# Altium PCB PE100-Rev1_1.PcbDoc (part 2 of 2)
Units mil, origin at the board's own origin, x right, y up, seen from the top; angles counter-clockwise.
Board outline 6600.39 x 4375.99 mil, 4 copper layers (TOP, GND02, VCC03, BOTTOM), stack 28.8 mil thick; 321 components, 383 nets, 1697 pads, 0 vias.
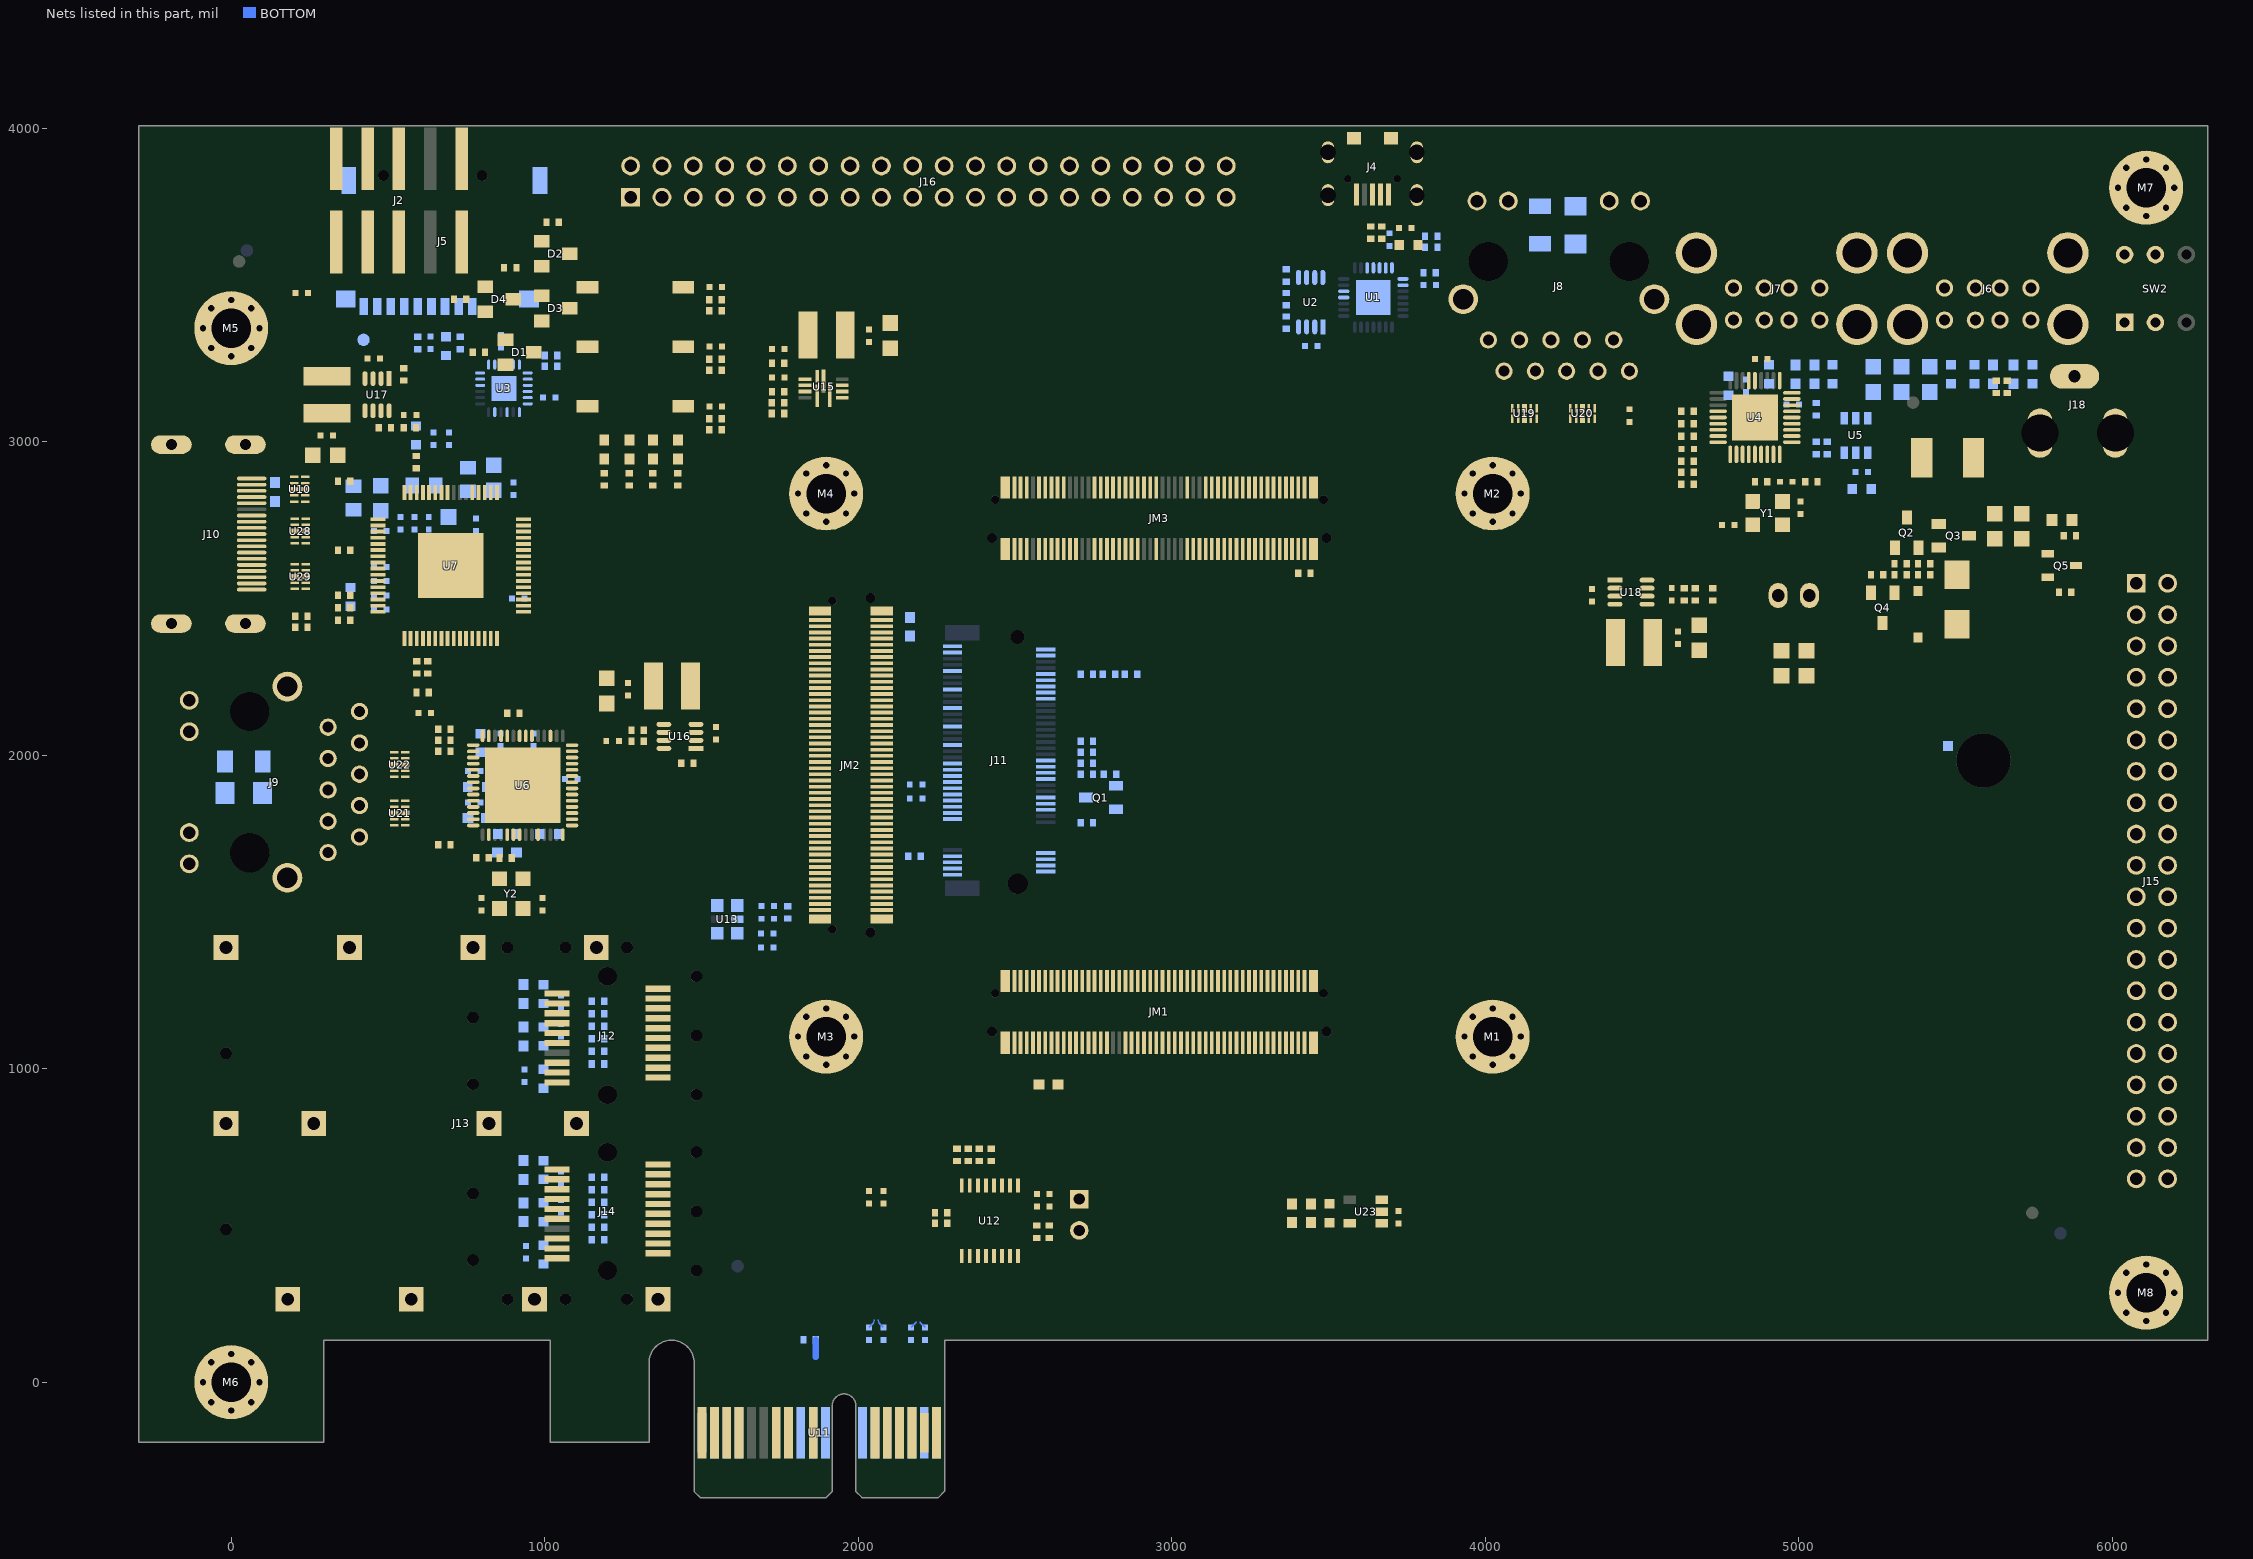
[diagram p4: the nets of this part, all layers, seen from the top]

## Nets (pads, with @x,y where several pads share a name; then routed paths per layer and width w, separated by ;. In a path a pad name is that pad's centre, name@x,y a point inside that pad or via, vN(x,y) a via of type N, cw(c..) or ccw(c..) an arc to the next point about the centre after c; other vN are vias at no path point)
3.3V_PCIE: R72.1 U11.A9 U11.A10 U11.B8
3.3V_PCIE_AUX: R72.2 U11.B10 | length 54.7
  BOTTOM w20: 1864.69,80.31 R72.2@1864.69,135
5V_HDMI: F2.2 J10.18 R62.2 R64.2
12V_PCIE: D5.A U11.A2 U11.A3 U11.B1 U11.B2 U11.B3
7513_AVDD_1V8: C116.1 C117.1 C118.1 C119.1 L11.1 U7.15 U7.19 U7.25
7513_DVDD_1V8: C111.1 C112.1 C113.1 C114.1 C115.1 L10.1 U7.1 U7.11 U7.31 U7.51
7513_PVDD_1V8: C120.1 C121.1 C122.1 L9.1 U7.12 U7.13
CEC: J10.13 U10.1 U10.10
CEC_CLK: R65.2 U7.32
CEC_IO: R63.2 U7.30
CLK_CP: C60.2 U11.A13
CLK_N: C61.2 U11.A14
CLKREQN: J11.52
CON_SD_CLK: J5.5 R14.1 U3.19
CON_SD_CMD: J5.3 R13.1 U3.20
CON_SD_DATA0: J5.7 U3.18
CON_SD_DATA1: J5.8 U3.16
CON_SD_DATA2: J5.1 U3.23
CON_SD_DATA3: J5.2 U3.22
DDCSCL: J10.15 R62.1 U7.33 U10.2 U10.9
DDCSDA: J10.16 R64.1 U7.34 U10.4 U10.7
ETH0_MDI0_N: J8.3 JM3.84 U19.2 U19.9
ETH0_MDI0_P: J8.2 JM3.82 U19.1 U19.10
ETH0_MDI1_N: J8.7 JM3.88 U19.5 U19.6
ETH0_MDI1_P: J8.4 JM3.86 U19.4 U19.7
ETH0_MDI2_N: J8.6 JM3.94 U20.2 U20.9
ETH0_MDI2_P: J8.5 JM3.92 U20.1 U20.10
ETH0_MDI3_N: J8.9 JM3.98 U20.5 U20.6
ETH0_MDI3_P: J8.8 JM3.96 U20.4 U20.7
ETH1_25M_XI: C52.1 R61.1 U6.34 Y2.1
ETH1_25M_XO: C53.1 R61.2 U6.33 Y2.3
ETH1_MDI0_N: J9.3 U6.27 U21.2 U21.9
ETH1_MDI0_P: J9.2 U6.28 U21.1 U21.10
ETH1_MDI1_N: J9.7 U6.23 U21.5 U21.6
ETH1_MDI1_P: J9.4 U6.24 U21.4 U21.7
ETH1_MDI2_N: J9.6 U6.21 U22.2 U22.9
ETH1_MDI2_P: J9.5 U6.22 U22.1 U22.10
ETH1_MDI3_N: J9.9 U6.17 U22.5 U22.6
ETH1_MDI3_P: J9.8 U6.18 U22.4 U22.7
ETH1_NRST: JM2.35 R46.2 U6.16
ETH1_RGMII_MDC: JM2.31 U6.7
ETH1_RGMII_MDIO: JM2.33 R57.2 U6.8
ETH1_RXCK: JM2.42 U6.46
ETH1_RXCTL: JM2.32 U6.43
ETH1_RXD0: JM2.34 U6.44
ETH1_RXD1: JM2.36 U6.45
ETH1_RXD2: JM2.38 U6.47
ETH1_RXD3: JM2.44 U6.48
ETH1_TXCK: JM2.52 U6.53
ETH1_TXCTL: JM2.58 U6.56
ETH1_TXD0: JM2.46 U6.50
ETH1_TXD1: JM2.48 U6.51
ETH1_TXD2: JM2.54 U6.54
ETH1_TXD3: JM2.56 U6.55
FPGA2M2_0_AC_N: C72.1 J11.47
FPGA2M2_0_AC_P: C73.1 J11.49
FPGA2M2_0_N: C72.2 JM2.25
FPGA2M2_0_P: C73.2 JM2.27
FPGA_TCK: D2.3 JM3.15 R2.1
FPGA_TDI: D4.3 JM3.21 R4.1
FPGA_TDO: D3.3 JM3.17 R3.1
FPGA_TMS: D1.3 JM3.23 R1.1
GND: C1.1 C2.1 C3.2 C4.1 C5.1 C6.2 C7.1 C8.1 C9.2 C10.2 C11.2 C12.2 C13.2 C14.2 C15.2 C16.2 C17.2 C18.2 C19.2 C20.2 C21.2 C22.2 C23.2 C24.2 C25.2 C26.2 C27.2 C28.2 C29.2 C30.2 C35.2 C36.2 C37.2 C38.2 C39.2 C40.2 C41.2 C42.2 C43.2 C44.2 C45.2 C46.2 C47.2 C52.2 C53.2 C54.2 C55.2 C56.2 C57.2 C58.2 C59.2 C66.2 C74.2 C75.2 C76.2 C77.2 C78.2 C79.2 C80.2 C81.2 C82.2 C83.2 C84.2 C85.2 C87.1 C88.1 C89.1 C90.1 C91.2 C92.1 C93.1 C96.1 C97.1 C98.1 C99.1 C100.1 C102.1 C103.1 C104.2 C105.2 C106.2 C108.2 C109.2 C110.2 C111.2 C112.2 C113.2 C114.2 C115.2 C116.2 C117.2 C118.2 C119.2 C120.2 C121.2 C122.2 D1.1 D2.1 D3.1 D4.1 D7.A J2.2 J2.10 J3.2 J4.5 J4.6 J4.7 J4.8 J4.9 J4.10 J4.11 J5.6 J5.10 J5.11 J5.12 J5.13 J6.A4 J6.B4 J6.S1 J6.S2 J6.S3 J6.S4 J7.A4 J7.B4 J7.S1 J7.S2 J7.S3 J7.S4 J8.12 J10.2 J10.5 J10.8 J10.11 J10.17 J10.BO1 J10.BO2 J10.BO3 J10.BO4 J11.1 J11.3 J11.9 J11.15 J11.21 J11.27 J11.33 J11.39 J11.45 J11.51 J11.57 J11.71 J11.73 J11.75 J12.1 J12.9 J12.10 J12.11 J12.14 J12.17 J12.20 J13.1 J13.2 J13.3 J13.4 J13.5 J13.6 J13.7 J13.8 J13.9 J13.10 J13.11 J13.12 J14.1 J14.9 J14.10 J14.11 J14.14 J14.17 J14.20 J15.12 J15.30 J16.12 J16.30 J18.2 J18.3 JM1.9 JM1.10 JM1.19 JM1.20 JM1.29 JM1.30 JM1.39 JM1.40 JM1.49 JM1.50 JM1.59 JM1.60 JM1.69 JM1.70 JM1.79 JM1.80 JM1.89 JM1.90 JM1.99 JM1.100 JM2.5 JM2.6 JM2.11 JM2.12 JM2.17 JM2.18 JM2.23 JM2.24 JM2.29 JM2.30 JM2.39 JM2.40 JM2.49 JM2.50 JM2.59 JM2.60 JM2.69 JM2.70 JM2.79 JM2.80 JM2.89 JM2.90 JM2.99 JM2.100 JM3.19 JM3.20 JM3.29 JM3.30 JM3.39 JM3.40 JM3.49 JM3.50 JM3.59 JM3.60 JM3.69 JM3.70 JM3.79 JM3.80 JM3.89 JM3.90 JM3.99 JM3.100 K1.1 K2.1 K3.1 M1.1 M2.1 M3.1 M4.1 M5.1 M6.1 M7.1 M8.1 M9.1 Q1.S Q5.2 R11.1 R18.1 R21.2 R22.2 R23.2 R24.2 R25.2 R28.1 R39.1 R59.1 R60.1 R63.1 R65.1 R66.2 R70.2 R71.1 R75.2 R76.2 R86.1 R108.2 R109.2 R112.2 R117.1 R118.1 R121.1 R179.1 R188.1 U1.3 U1.29 U2.2 U3.2 U3.11 U3.25 U4.37 U5.2 U6.57 U7.65 U10.3 U10.8 U11.A4 U11.A12 U11.A15 U11.A18 U11.B4 U11.B7 U11.B13 U11.B16 U11.B18 U12.7 U13.3 U15.2 U15.4 U15.10 U16.4 U16.6 U17.4 U17.6 U18.4 U18.6 U19.3 U19.8 U20.3 U20.8 U21.3 U21.8 U22.3 U22.8 U23.2 U28.3 U28.8 U29.3 U29.8 Y1.2 Y1.4 Y2.2 Y2.4
GPIO1_0N: J15.2 JM1.84
GPIO1_0P: J15.1 JM1.82
GPIO1_1N: J15.4 JM1.68
GPIO1_1P: J15.3 JM1.66
GPIO1_2N: J15.6 JM1.74
GPIO1_2P: J15.5 JM1.72
GPIO1_3N: J15.8 JM1.78
GPIO1_3P: J15.7 JM1.76
GPIO1_4N: J15.10 JM1.88
GPIO1_4P: J15.9 JM1.86
GPIO1_5N: J15.14 JM1.98
GPIO1_5P: J15.13 JM1.96
GPIO1_6N: J15.16 JM1.94
GPIO1_6P: J15.15 JM1.92
GPIO1_7N: J15.18 JM1.97
GPIO1_7P: J15.17 JM1.95
GPIO1_8N: J15.20 JM1.87
GPIO1_8P: J15.19 JM1.85
GPIO1_9N: J15.22 JM1.83
GPIO1_9P: J15.21 JM1.81
GPIO1_10N: J15.24 JM1.77
GPIO1_10P: J15.23 JM1.75
GPIO1_11N: J15.26 JM1.73
GPIO1_11P: J15.25 JM1.71
GPIO1_12N: J15.28 JM1.67
GPIO1_12P: J15.27 JM1.65
GPIO1_13N: J15.32 JM1.63
GPIO1_13P: J15.31 JM1.61
GPIO1_14N: J15.34 JM1.57
GPIO1_14P: J15.33 JM1.55
GPIO1_15N: J15.36 JM1.53
GPIO1_15P: J15.35 JM1.51
GPIO1_16N: J15.38 JM1.47
GPIO1_16P: J15.37 JM1.45
GPIO1_17N: J15.40 JM1.43
GPIO1_17P: J15.39 JM1.41
GPIO2_0N: J16.2 JM3.34
GPIO2_0P: J16.1 JM3.32
GPIO2_1N: J16.4 JM3.38
GPIO2_1P: J16.3 JM3.36
GPIO2_2N: J16.6 JM3.44
GPIO2_2P: J16.5 JM3.42
GPIO2_3N: J16.8 JM3.48
GPIO2_3P: J16.7 JM3.46
GPIO2_4N: J16.10 JM3.43
GPIO2_4P: J16.9 JM3.41
GPIO2_5N: J16.14 JM1.4
GPIO2_5P: J16.13 JM1.2
GPIO2_6N: J16.16 JM1.8
GPIO2_6P: J16.15 JM1.6
GPIO2_7N: J16.18 JM1.14
GPIO2_7P: J16.17 JM1.12
GPIO2_8N: J16.20 JM1.18
GPIO2_8P: J16.19 JM1.16
GPIO2_9N: J16.22 JM1.24
GPIO2_9P: J16.21 JM1.22
GPIO2_10N: J16.24 JM1.28
GPIO2_10P: J16.23 JM1.26
GPIO2_11N: J16.26 JM1.34
GPIO2_11P: J16.25 JM1.32
GPIO2_12N: J16.28 JM1.38
GPIO2_12P: J16.27 JM1.36
GPIO2_13N: J16.32 JM1.44
GPIO2_13P: J16.31 JM1.42
GPIO2_14N: J16.34 JM1.48
GPIO2_14P: J16.33 JM1.46
GPIO2_15N: J16.36 JM1.54
GPIO2_15P: J16.35 JM1.52
GPIO2_16N: J16.38 JM1.58
GPIO2_16P: J16.37 JM1.56
GPIO2_17N: J16.40 JM1.64
GPIO2_17P: J16.39 JM1.62
HDMI_HPD: J10.19 R66.1 U7.16 U10.5 U10.6
HDMI_I2S0: JM3.35 U7.5
HDMI_LRCLK: JM3.31 U7.10
HDMI_MCLK: JM3.37 U7.4
HDMI_SCL: JM2.64 R68.2 U7.35
HDMI_SCLK: JM3.33 U7.9
HDMI_SDA: JM2.66 R69.2 U7.36
HDMI_TX_CLK: JM2.81 U7.53
HDMI_TX_D0: JM2.61 U7.62
HDMI_TX_D1: JM2.63 U7.61
HDMI_TX_D2: JM2.65 U7.60
HDMI_TX_D3: JM2.67 U7.59
HDMI_TX_D4: JM2.71 U7.58
HDMI_TX_D5: JM2.73 U7.57
HDMI_TX_D6: JM2.75 U7.56
HDMI_TX_D7: JM2.77 U7.55
HDMI_TX_D8: JM2.83 U7.54
HDMI_TX_D9: JM2.85 U7.52
HDMI_TX_D10: JM2.87 U7.50
HDMI_TX_D11: JM2.98 U7.49
HDMI_TX_D12: JM2.96 U7.48
HDMI_TX_D13: JM2.94 U7.47
HDMI_TX_D14: JM2.92 U7.46
HDMI_TX_D15: JM2.88 U7.45
HDMI_TX_D16: JM2.86 U7.44
HDMI_TX_D17: JM2.84 U7.43
HDMI_TX_D18: JM2.82 U7.42
HDMI_TX_D19: JM2.78 U7.41
HDMI_TX_D20: JM2.76 U7.40
HDMI_TX_D21: JM2.74 U7.39
HDMI_TX_D22: JM2.72 U7.38
HDMI_TX_D23: JM2.68 U7.37
HDMI_TX_DE: JM2.57 U7.63
HDMI_TX_HS: JM2.55 U7.64
HDMI_TX_INT: JM2.62 R67.2 U7.28
HDMI_TX_SPDIF: JM2.51 U7.3
HDMI_TX_VS: JM2.53 U7.2
M2_PERSTN: JM2.41 Q1.G R86.2
M2_PPEDET: J11.69 JM2.43 R87.1
M2_REFCLK_N: J11.53 R74.2 R75.1
M2_REFCLK_P: J11.55 R73.2 R76.1
M22FPGA_0_N: J11.41 JM2.26
M22FPGA_0_P: J11.43 JM2.28
MGT_CLK1_N: C67.1 JM2.2 R186.2
MGT_CLK1_P: C70.1 JM2.4 R186.1
MIO11: JM3.65
MIO12: JM3.67
MIO13: JM3.71
N18052616: R9.1 R11.2 U3.24
N18052688: C6.1 R8.2 U1.9
N18052739: R177.1 U1.25 U2.1
N18052741: R178.1 U1.26 U2.8
N18052765: R5.1 U2.6
N18052822: J4.3 R7.1
N18052826: J4.2 R6.1
N18053090: J5.9 TP1.1
N18054364: C17.1 R26.1 U4.33 Y1.1
N18054368: C18.1 R26.2 U4.32 Y1.3
N18054403: R28.2 U5.5
N18054708: R19.1 U4.27
N18054710: C14.1 R20.1 U4.26
N18054724: R21.1 U4.35
N18054758: R23.1 U4.22
N18054760: R22.1 U4.28
N18054764: R25.1 U4.25
N18054766: R24.1 U4.24
N18054816: C15.1 U4.34
N18054820: C16.1 U4.14
N18054871: J6.A2 U4.1
N18054877: J6.B2 U4.3
N18054879: J6.A3 U4.2
N18054885: J7.A3 U4.7
N18054887: J6.B3 U4.4
N18054897: J7.A2 U4.6
N18054907: J7.B2 U4.8
N18054909: J7.B3 U4.9
N18055271: R27.1 U5.4
N18056015: J8.11 R29.1
N18056039: J8.14 R30.1
N18056049: C30.1 J8.10 J8.15 J8.16 R39.2
N18056093: C35.1 K1.2 R41.2 R43.2
N18056212: C36.1 K2.2 R40.2 R44.2
N18056342: C29.1 J8.1
N18057573: J9.14 R48.1
N18057575: J9.11 R47.1
N18057588: C104.1 J9.10 J9.15 J9.16 R179.2
N18057830: R58.2 R60.2 U6.15
N18057881: C47.1 J9.1
N18058141: R59.2 U6.30
N18058952: F1.1 J18.1
N18070154: B14.1 C74.1 C75.1 J12.16
N18070202: B15.1 C76.1 C79.1 J12.15
N18072384: B16.1 C80.1 C81.1 J14.16
N18072420: B17.1 C83.1 C85.1 J14.15
N18080771: C94.2 R115.1 R118.2 U17.7
N18080863: L3.1 U17.3
N18080938: C95.2 R116.1 R117.2 U16.7
N18081069: L2.1 U16.3
N18081721: R106.2 R109.1 U15.11
N18081879: R100.1 U15.8
N18081884: C86.2 R100.2
N18081899: C86.1 L1.1 U15.7
N18082651: C91.1 R110.1 U15.9
N18101823: R70.1 U7.14
N18121292: R71.2 U7.22
N18227935: J11.50 Q1.D R85.1
N18228207: J11.10 R80.1
N18228255: J11.38 R81.1
N18228267: J11.40 R82.1
N18228287: J11.42 R83.1
N18228291: J11.44 R84.1
N18236382: C70.2 U13.4
N18236386: C67.2 U13.5
N18236420: B13.1 C66.1 U13.1 U13.6
N18252385: C37.1 K3.2 R42.2 R45.2
N18395071: R184.2 R185.2 U18.8
N18395099: C101.2 R120.1 R121.2 U18.7
N18395188: L4.1 U18.3
N18395932: D7.K R102.2 R105.1
N18395945: Q3.G Q4.3 R103.2 R104.2 SW2.2 SW2.5
N18395979: R104.1 R112.1 SW2.1 SW2.4
N18396043: D6.K R107.1
N18396075: Q2.G R101.2 R108.1
N18396077: Q5.1 R111.2
N18396081: Q5.3 R107.2
N18396093: D5.K Q2.S Q3.S Q4.2 R101.1 R102.1 R103.1
N18396139: Q4.1 R105.2
N18396348: F1.2 Q2.D
N18436851: B18.1 C108.1 U23.5
N18482641: J2.5 R1.2
N18482654: J2.1 R2.2
N18482672: J2.3 R3.2
N18482680: J2.9 R4.2
N18483477: R73.1 U12.15
N18483479: R74.1 U12.14
N18483543: B12.1 C110.1 J19.1 U12.16
N18488589: R78.2 U12.10
N18488591: R79.2 U12.11
N18488615: C68.2 R78.1
N18488617: C69.2 R79.1
N18489511: R187.2 U12.6
N18543575: J19.2 R187.1 R188.2
N184222541: D8.K R180.2
N184223201: D9.K R181.2
N184223891: D10.K R182.2
N184235350: D11.K R183.2
NC1: U12.1
NC2: U12.2
NC3: U12.3
NC4: U12.4
NC5: U12.5
NC6: U12.8
NC7: U12.9
NC8: U12.12
NC9: U12.13
NRSTIN: JM3.16 R43.1
PCIE_CLK_N: C61.1 C69.1 JM2.1 | length 30.6
  BOTTOM w4.1: 2063.75,199.74 ccw(c2084.25,199.74) 2069.75,185.24 C61.1@2080,175
PCIE_CLK_P: C60.1 C68.1 JM2.3 | length 30.6
  BOTTOM w4.1: C60.1@2035,175 2045.24,185.24 ccw(c2030.75,199.74) 2051.25,199.74
PCIE_PERSTN: JM2.45 U11.A11
PCIE_PRSNTN_X1: U11.A1 U11.B17
PCIE_RX_N: JM2.8 U11.B15
PCIE_RX_P: JM2.10 U11.B14
PCIE_TX_CN: C63.2 U11.A17
PCIE_TX_CP: C62.2 U11.A16
PCIE_TX_N: C63.1 JM2.7 | length 24.5
  BOTTOM w4.1: 2197.2,192.95 ccw(c2201.3,192.95) 2198.4,190.05 C63.1@2213.45,175
PCIE_TX_P: C62.1 JM2.9 | length 24.5
  BOTTOM w4.1: C62.1@2168.45,175 2183.5,190.05 ccw(c2180.6,192.95) 2184.7,192.95
PG_1V0: R114.1 U16.1
PG_1V8: R113.1 R184.1 U17.1
PG_3V3: R111.1 R119.1 U18.1
PG_5V: R110.2 U15.3 U16.8 U17.8
PG_MOD: JM3.14 R185.1
PHY0_LED0: J8.13 JM3.78
PHY0_LED1: JM3.76 R29.2
PHY1_LED0: J9.13 U6.14
PHY1_LED1: J9.12 U6.13
PHY_AVDDH3V3: B9.1 C45.1 C46.1 U6.20 U6.25
PHY_AVDDL1V8: B8.1 C40.1 C41.1 U6.3 U6.19 U6.26 U6.35 U6.38
PL_KEY: JM2.47 R45.1
PL_LED1: JM2.95 R181.1
PL_LED2: JM2.97 R182.1
PL_LED3: JM2.37 R183.1
PS_KEY: JM3.61 R44.1
PS_LED: JM3.63 R180.1
PWR_EN: JM3.12
SD_CLK: JM3.73 U3.9
SD_CMD: JM3.75 U3.4
SD_DATA0: JM3.77 U3.6
SD_DATA1: JM3.81 U3.7
SD_DATA2: JM3.83 U3.1
SD_DATA3: JM3.85 U3.3
SFP1_PRSNTN: J12.6 JM1.15 R93.1
SFP1_RX_N: J12.12 JM2.20
SFP1_RX_P: J12.13 JM2.22
SFP1_RXLOS: J12.8 JM1.17 R89.1
SFP1_SCL: J12.5 JM1.7 R92.1
SFP1_SDA: J12.4 JM1.5 R91.1
SFP1_TX_N: J12.19 JM2.19
SFP1_TX_P: J12.18 JM2.21
SFP1_TXDISABLE: J12.3 JM1.3 R88.1
SFP1_TXFAULT: J12.2 JM1.1 R90.1
SFP2_PRSNTN: J14.6 JM1.31 R99.1
SFP2_RX_N: J14.12 JM2.14
SFP2_RX_P: J14.13 JM2.16
SFP2_RXLOS: J14.8 JM1.33 R95.1
SFP2_SCL: J14.5 JM1.27 R98.1
SFP2_SDA: J14.4 JM1.25 R97.1
SFP2_TX_N: J14.19 JM2.13
SFP2_TX_P: J14.18 JM2.15
SFP2_TXDISABLE: J14.3 JM1.23 R94.1
SFP2_TXFAULT: J14.2 JM1.21 R96.1
SUSCLK: J11.68
TMDS_TX0_N: J10.9 U7.20 U28.2 U28.9
TMDS_TX0_P: J10.7 U7.21 U28.1 U28.10
TMDS_TX1_N: J10.6 U7.23 U29.5 U29.6
TMDS_TX1_P: J10.4 U7.24 U29.4 U29.7
TMDS_TX2_N: J10.3 U7.26 U29.2 U29.9
TMDS_TX2_P: J10.1 U7.27 U29.1 U29.10
TMDS_TXC_N: J10.12 U7.17 U28.5 U28.6
TMDS_TXC_P: J10.10 U7.18 U28.4 U28.7
UART_RX: JM3.72 R178.2 U2.5
UART_TX: JM3.74 R177.2 U2.4
USB2UART_DM: R6.2 U1.5
USB2UART_DP: R7.2 U1.4
USB_OTG_CPEN: JM3.87 U5.3
USB_OTG_ID: JM3.95 R18.2
USB_OTG_N: JM3.93 U4.30
USB_OTG_P: JM3.91 U4.31
USB_VBUS: JM3.97 R17.2
VCC_1V0: C38.1 C39.1 C95.1 C98.2 C99.2 L2.2 R116.2 U6.6 U6.42 U16.5
VCC_1V8: B8.2 C10.1 C54.1 C55.1 C56.1 C94.1 C96.2 C97.2 L3.2 L9.2 L10.2 L11.2 R9.2 R82.2 R83.2 R84.2 R115.2 U3.5 U17.5
VCC_3V3: B1.1 B2.1 B3.1 B9.2 B12.2 B13.2 B14.2 B15.2 B16.2 B17.2 C7.2 C8.2 C9.1 C11.1 C12.1 C13.1 C42.1 C43.1 C44.1 C57.1 C58.1 C59.1 C77.1 C78.1 C82.1 C84.1 C101.1 C102.2 C103.2 D8.A D9.A D10.A D11.A J5.4 J11.2 J11.4 J11.12 J11.14 J11.16 J11.18 J11.70 J11.72 J11.74 J15.29 J16.29 L4.2 R13.2 R14.2 R19.2 R20.2 R30.2 R40.1 R41.1 R42.1 R46.1 R47.2 R48.2 R57.1 R58.1 R67.1 R68.1 R69.1 R80.2 R81.2 R85.2 R87.2 R88.2 R89.2 R90.2 R91.2 R92.2 R93.2 R94.2 R95.2 R96.2 R97.2 R98.2 R99.2 R119.2 R120.2 U3.17 U3.21 U4.5 U4.10 U4.15 U4.23 U4.29 U4.36 U6.10 U6.11 U6.49 U6.52 U7.29 U18.5 U23.3
VCC_5V: C20.1 C22.1 C87.2 C88.2 C92.2 C93.2 C100.2 C109.1 F2.1 J15.11 J16.11 L1.2 R27.2 R113.2 R114.2 U5.1 U15.5 U16.2 U17.2 U18.2 U23.1
VCC_12V: C1.2 C2.2 C89.2 C90.2 D6.A J3.1 JM3.1 JM3.2 JM3.3 JM3.4 JM3.5 JM3.6 JM3.7 JM3.8 Q3.D R106.1 U15.1
VCC_MOD_3V3: C105.1 C106.1 D1.2 D2.2 D3.2 D4.2 J2.4 J2.6 JM3.11 JM3.13 R5.2 U2.3
VCC_UART_3V3: C3.1 R8.1 U1.6 U2.7
VCC_USB: B4.1 B5.1 B6.1 B7.1 C23.1 C24.1 C25.1 C26.1 R17.1 U5.6
VCC_USB1: B4.2 C19.1 J6.A1
VCC_USB2: B5.2 C21.1 J6.B1
VCC_USB3: B6.2 C27.1 J7.A1
VCC_USB4: B7.2 C28.1 J7.B1
VDD_USB2UART_5V: C4.2 C5.2 J4.1 U1.7 U1.8
VIOTA: B1.2 B18.2 JM1.91 JM1.93
VIOTB: B2.2 JM1.11 JM1.13
VIOTC: B3.2 JM2.91 JM2.93
WAKEN: J11.54
WARM_NRST: JM3.18
XADC_VN: JM3.68
XADC_VP: JM3.66
pads on no net: J2.7 J2.8 J4. J4.4 J5. J8. J9. J10.14 J11. J11.5 J11.6 J11.7 J11.8 J11.11 J11.13 J11.17 J11.19 J11.20 J11.22 J11.23 J11.24 J11.25 J11.26 J11.28 J11.29 J11.30 J11.31 J11.32 J11.34 J11.35 J11.36 J11.37 J11.46 J11.48 J11.56 J11.58 J11.67 J12. J12.7 J13. J14. J14.7 JM1. JM1.35 JM1.37 JM2. JM3. JM3.9 JM3.10 JM3.22 JM3.24 JM3.25 JM3.26 JM3.27 JM3.28 JM3.45 JM3.47 JM3.51 JM3.52 JM3.53 JM3.54 JM3.55 JM3.56 JM3.57 JM3.58 JM3.62 JM3.64 M1. M2. M3. M4. M5. M6. M7. M8. M9. SW2.3 SW2.6 U1.1 U1.2 U1.10 U1.11 U1.12 U1.13 U1.14 U1.15 U1.16 U1.17 U1.18 U1.19 U1.20 U1.21 U1.22 U1.23 U1.24 U1.27 U1.28 U3.8 U3.10 U3.12 U3.13 U3.14 U3.15 U4.11 U4.12 U4.13 U4.16 U4.17 U4.18 U4.19 U4.20 U4.21 U6.1 U6.2 U6.4 U6.5 U6.9 U6.12 U6.29 U6.31 U6.32 U6.36 U6.37 U6.39 U6.40 U6.41 U7.6 U7.7 U7.8 U11.A5 U11.A6 U11.A7 U11.A8 U11.B5 U11.B6 U11.B9 U11.B11 U11.B12 U13.2 U15.6 U15.12 U23.4

## Keep-outs
TOP:
  region: 5745,473.95 5739.25,474.2 5733.54,474.95 5727.92,476.2 5722.43,477.93 5717.11,480.13 5712,482.79 5707.14,485.89 5702.58,489.39 5698.33,493.28 5694.44,497.53 5690.94,502.1 5687.84,506.95 5685.18,512.06 5682.98,517.38 5681.25,522.87 5680,528.49 5679.25,534.2 5679,539.95 5679.25,545.7 5680,551.41 5681.25,557.03 5682.98,562.52 5685.18,567.84 5687.84,572.95 5690.94,577.81 5694.44,582.38 5698.33,586.62 5702.58,590.51 5707.14,594.01 5712,597.11 5717.11,599.77 5722.43,601.97 5727.92,603.7 5733.54,604.95 5739.25,605.7 5745,605.95 5750.75,605.7 5756.46,604.95 5762.08,603.7 5767.57,601.97 5772.89,599.77 5778,597.11 5782.86,594.01 5787.42,590.51 5791.67,586.62 5795.56,582.38 5799.06,577.81 5802.16,572.95 5804.82,567.84 5807.02,562.52 5808.75,557.03 5810,551.41 5810.75,545.7 5811,539.95 5811,539.85 5810.72,534.09 5809.95,528.37 5808.67,522.73 5806.91,517.23 5804.68,511.91 5801.99,506.8 5798.87,501.94 5795.34,497.38 5791.42,493.14 5787.15,489.26 5782.55,485.76 5777.67,482.68 5772.54,480.03 5767.19,477.85 5761.68,476.13 5756.04,474.91 5750.31,474.18 5745.1,473.95 5745,473.95
  region: 5365,3058.95 5359.25,3059.2 5353.54,3059.95 5347.92,3061.2 5342.43,3062.93 5337.11,3065.13 5332,3067.79 5327.14,3070.89 5322.58,3074.39 5318.33,3078.28 5314.44,3082.53 5310.94,3087.09 5307.84,3091.95 5305.18,3097.06 5302.98,3102.38 5301.25,3107.87 5300,3113.49 5299.25,3119.2 5299,3124.95 5299.25,3130.7 5300,3136.41 5301.25,3142.03 5302.98,3147.52 5305.18,3152.84 5307.84,3157.95 5310.94,3162.81 5314.44,3167.38 5318.33,3171.62 5322.58,3175.51 5327.14,3179.01 5332,3182.11 5337.11,3184.77 5342.43,3186.97 5347.92,3188.7 5353.54,3189.95 5359.25,3190.7 5365,3190.95 5370.75,3190.7 5376.46,3189.95 5382.08,3188.7 5387.57,3186.97 5392.89,3184.77 5398,3182.11 5402.86,3179.01 5407.42,3175.51 5411.67,3171.62 5415.56,3167.38 5419.06,3162.81 5422.16,3157.95 5424.82,3152.84 5427.02,3147.52 5428.75,3142.03 5430,3136.41 5430.75,3130.7 5431,3124.95 5431,3124.85 5430.72,3119.09 5429.95,3113.37 5428.67,3107.73 5426.91,3102.23 5424.68,3096.91 5421.99,3091.8 5418.87,3086.94 5415.34,3082.38 5411.42,3078.14 5407.15,3074.26 5402.55,3070.76 5397.67,3067.68 5392.54,3065.03 5387.19,3062.85 5381.68,3061.13 5376.04,3059.91 5370.31,3059.18 5365.1,3058.95 5365,3058.95
  region: 25,3509 19.25,3509.25 13.54,3510 7.92,3511.25 2.43,3512.98 -2.89,3515.18 -8,3517.84 -12.86,3520.94 -17.42,3524.44 -21.67,3528.33 -25.56,3532.58 -29.06,3537.14 -32.16,3542 -34.82,3547.11 -37.02,3552.43 -38.75,3557.92 -40,3563.54 -40.75,3569.25 -41,3575 -40.75,3580.75 -40,3586.46 -38.75,3592.08 -37.02,3597.57 -34.82,3602.89 -32.16,3608 -29.06,3612.86 -25.56,3617.42 -21.67,3621.67 -17.42,3625.56 -12.86,3629.06 -8,3632.16 -2.89,3634.82 2.43,3637.02 7.92,3638.75 13.54,3640 19.25,3640.75 25,3641 30.75,3640.75 36.46,3640 42.08,3638.75 47.57,3637.02 52.89,3634.82 58,3632.16 62.86,3629.06 67.42,3625.56 71.67,3621.67 75.56,3617.42 79.06,3612.86 82.16,3608 84.82,3602.89 87.02,3597.57 88.75,3592.08 90,3586.46 90.75,3580.75 91,3575 91,3574.9 90.72,3569.14 89.95,3563.41 88.67,3557.78 86.91,3552.28 84.68,3546.96 81.99,3541.85 78.87,3536.99 75.34,3532.43 71.42,3528.19 67.15,3524.3 62.55,3520.81 57.67,3517.73 52.54,3515.08 47.19,3512.9 41.68,3511.18 36.04,3509.96 30.31,3509.23 25.1,3509 25,3509
GND02:
  region: 1485,-95 1485,-370 2290,-370 2290,-95 1485,-95
VCC03:
  region: 1505,-350 2270,-350 2270,-115 1505,-115
BOTTOM:
  region: 5835,408.95 5840.75,409.2 5846.46,409.95 5852.08,411.2 5857.57,412.93 5862.89,415.13 5868,417.79 5872.86,420.89 5877.42,424.39 5881.67,428.28 5885.56,432.53 5889.06,437.1 5892.16,441.95 5894.82,447.06 5897.02,452.38 5898.75,457.87 5900,463.49 5900.75,469.2 5901,474.95 5900.75,480.7 5900,486.41 5898.75,492.03 5897.02,497.52 5894.82,502.84 5892.16,507.95 5889.06,512.81 5885.56,517.38 5881.67,521.62 5877.42,525.51 5872.86,529.01 5868,532.11 5862.89,534.77 5857.57,536.97 5852.08,538.7 5846.46,539.95 5840.75,540.7 5835,540.95 5829.25,540.7 5823.54,539.95 5817.92,538.7 5812.43,536.97 5807.11,534.77 5802,532.11 5797.14,529.01 5792.58,525.51 5788.33,521.62 5784.44,517.38 5780.94,512.81 5777.84,507.95 5775.18,502.84 5772.98,497.52 5771.25,492.03 5770,486.41 5769.25,480.7 5769,474.95 5769,474.85 5769.28,469.09 5770.05,463.37 5771.33,457.73 5773.09,452.23 5775.32,446.91 5778.01,441.8 5781.13,436.94 5784.66,432.38 5788.58,428.14 5792.85,424.26 5797.45,420.76 5802.33,417.68 5807.46,415.03 5812.81,412.85 5818.32,411.13 5823.96,409.91 5829.69,409.18 5834.9,408.95 5835,408.95
  region: 50,3543.95 55.75,3544.2 61.46,3544.95 67.08,3546.2 72.57,3547.93 77.89,3550.13 83,3552.79 87.86,3555.89 92.42,3559.39 96.67,3563.28 100.56,3567.53 104.06,3572.09 107.16,3576.95 109.82,3582.06 112.02,3587.38 113.75,3592.87 115,3598.49 115.75,3604.2 116,3609.95 115.75,3615.7 115,3621.41 113.75,3627.03 112.02,3632.52 109.82,3637.84 107.16,3642.95 104.06,3647.81 100.56,3652.38 96.67,3656.62 92.42,3660.51 87.86,3664.01 83,3667.11 77.89,3669.77 72.57,3671.97 67.08,3673.7 61.46,3674.95 55.75,3675.7 50,3675.95 44.25,3675.7 38.54,3674.95 32.92,3673.7 27.43,3671.97 22.11,3669.77 17,3667.11 12.14,3664.01 7.58,3660.51 3.33,3656.62 -0.56,3652.38 -4.06,3647.81 -7.16,3642.95 -9.82,3637.84 -12.02,3632.52 -13.75,3627.03 -15,3621.41 -15.75,3615.7 -16,3609.95 -16,3609.85 -15.72,3604.09 -14.95,3598.37 -13.67,3592.73 -11.91,3587.23 -9.68,3581.91 -6.99,3576.8 -3.87,3571.94 -0.34,3567.38 3.58,3563.14 7.85,3559.26 12.45,3555.76 17.33,3552.68 22.46,3550.03 27.81,3547.85 33.32,3546.13 38.96,3544.91 44.69,3544.18 49.9,3543.95 50,3543.95
  region: 1615,304 1620.75,304.25 1626.46,305 1632.08,306.25 1637.57,307.98 1642.89,310.18 1648,312.84 1652.86,315.94 1657.42,319.44 1661.67,323.33 1665.56,327.58 1669.06,332.14 1672.16,337 1674.82,342.11 1677.02,347.43 1678.75,352.92 1680,358.54 1680.75,364.25 1681,370 1680.75,375.75 1680,381.46 1678.75,387.08 1677.02,392.57 1674.82,397.89 1672.16,403 1669.06,407.86 1665.56,412.42 1661.67,416.67 1657.42,420.56 1652.86,424.06 1648,427.16 1642.89,429.82 1637.57,432.02 1632.08,433.75 1626.46,435 1620.75,435.75 1615,436 1609.25,435.75 1603.54,435 1597.92,433.75 1592.43,432.02 1587.11,429.82 1582,427.16 1577.14,424.06 1572.58,420.56 1568.33,416.67 1564.44,412.42 1560.94,407.86 1557.84,403 1555.18,397.89 1552.98,392.57 1551.25,387.08 1550,381.46 1549.25,375.75 1549,370 1549,369.9 1549.28,364.14 1550.05,358.41 1551.33,352.78 1553.09,347.28 1555.32,341.96 1558.01,336.85 1561.13,331.99 1564.66,327.43 1568.58,323.19 1572.85,319.3 1577.45,315.81 1582.33,312.73 1587.46,310.08 1592.81,307.9 1598.32,306.18 1603.96,304.96 1609.69,304.23 1614.9,304 1615,304

## Silkscreen, mask and mechanical layers (free items; w line width, h text height)
Top Overlay:
  drawing of 1714 lines, arcs and shapes, not listed
  text "PE100" at 3866.65,290.9 h196.85
Bottom Overlay:
  circle w6.1: c5835,474.95 r60
  circle w6.1: c50,3609.95 r60
  circle w6.1: c1615,370 r60
OUTLINE:
  lines w1: -295.27,-190.94 -295.27,4007.88 6305.12,4007.88 6305.12,133.86 2275.6,133.86 2275.6,-348.07 2255.56,-368.11 2011.82,-368.11 1992.13,-348.42 1992.13,-74.8 ccw(c1954.73,-74.8) 1917.33,-74.8 1917.33,-348.42 1897.64,-368.11 1496.07,-368.11 1476.38,-348.42 1476.38,62.01 ccw(c1404.53,62.01) 1332.68,62.01 1332.68,-190.94 1017.72,-190.94 1017.72,133.86 295.28,133.86 295.28,-190.94 -295.27,-190.94
PLACE_BOUND_TOP:
  drawing of 3 lines, arcs and shapes, not listed
PLACE_BOUND_BOTTOM:
  drawing of 3 lines, arcs and shapes, not listed
NCLEGEND-1-4:
  circle w1: c7439.5,1460 r26
  circle w1: c7439.5,2460 r30
  circle w1: c7439.5,-40 r19
  lines w1: 6990,-2165 13717,-2165 ; 6990,-1915 13717,-1915 ; 6990,-1665 13717,-1665 ; 6990,-1415 13717,-1415 ; 6990,-1165 13717,-1165 ; 6990,-915 13717,-915 ; 6990,-665 13717,-665 ; 6990,-415 13717,-415 ; 6990,-165 13717,-165 ; 6990,85 13717,85 ; 6990,335 13717,335 ; 6990,585 13717,585 ; 6990,835 13717,835 ; 6990,1085 13717,1085 ; 6990,1335 13717,1335 ; 6990,1585 13717,1585 ; 6990,1835 13717,1835 ; 6990,2085 13717,2085 ; 6990,2335 13717,2335 ; 6990,2585 13717,2585 ; 6990,2835 13717,2835 ; 6990,3085 13717,3085 ; 6990,3335 13717,3335 ; 6990,3585 13717,3585 ; 6990,3835 13717,3835 ; 6990,4085 13717,4085 ; 6990,4335 13717,4335 ; 6990,4585 13717,4585 ; 7389.5,960 7489.5,960 ; 7389.5,1210 7489.5,1210 ; 7389.5,2710 7489.5,2710 ; 7389.5,3460 7489.5,3460 ; 7409.5,3960 7469.5,3960 ; 7434.5,3710 7444.5,3710 ; 7439.5,910 7439.5,1010 ; 7439.5,1160 7439.5,1260 ; 7439.5,2660 7439.5,2760 ; 7439.5,3410 7439.5,3510 ; 7439.5,3705 7439.5,3715 ; 7439.5,3930 7439.5,3990 ; 7889,-2415 7889,4335 ; 9780,-2415 9780,4335 ; 11671,-2415 11671,4335 ; 12942,-2415 12942,4335 ; 6990,-2415 6990,4835 13717,4835 13717,-2415 6990,-2415 ; 7377,-1040 7408.25,-1102.5 7470.75,-1102.5 7502,-1040 7470.75,-977.5 7408.25,-977.5 7377,-1040 ; 7400.13,-2329.37 ccw(c7400.13,-2290) 7400.13,-2250.63 7478.87,-2250.63 ccw(c7478.87,-2290) 7478.87,-2329.37 7400.13,-2329.37 ; 7400.13,-2079.37 ccw(c7400.13,-2040) 7400.13,-2000.63 7478.87,-2000.63 ccw(c7478.87,-2040) 7478.87,-2079.37 7400.13,-2079.37 ; 7404.06,-1825.43 ccw(c7404.06,-1790) 7404.06,-1754.57 7474.94,-1754.57 ccw(c7474.94,-1790) 7474.94,-1825.43 7404.06,-1825.43 ; 7404.85,3210 7415,3185.5 7439.5,3175.35 7464,3185.5 7474.15,3210 7464,3234.5 7439.5,3244.65 7415,3234.5 7404.85,3210 ; 7409.5,-570 7469.5,-570 7469.5,-510 7409.5,-510 7409.5,-570 ; 7417,-790 7428.25,-812.5 7450.75,-812.5 7462,-790 7450.75,-767.5 7428.25,-767.5 7417,-790 ; 7417,1710 7428.25,1687.5 7450.75,1687.5 7462,1710 7450.75,1732.5 7428.25,1732.5 7417,1710 ; 7419.5,1960 7429.5,1940 7449.5,1940 7459.5,1960 7449.5,1980 7429.5,1980 7419.5,1960 ; 7419.5,2210 7429.5,2190 7449.5,2190 7459.5,2210 7449.5,2230 7429.5,2230 7419.5,2210 ; 7421.79,201.14 7439.5,192.29 7457.21,201.14 7457.21,218.86 7439.5,227.71 7421.79,218.86 7421.79,201.14 ; 7424.5,-1560 ccw(c7424.5,-1540) 7424.5,-1520 7454.5,-1520 ccw(c7454.5,-1540) 7454.5,-1560 7424.5,-1560 ; 7424.5,460 7432,445 7447,445 7454.5,460 7447,475 7432,475 7424.5,460 ; 7424.5,710 7432,695 7447,695 7454.5,710 7447,725 7432,725 7424.5,710 ; 7424.5,2960 7432,2945 7447,2945 7454.5,2960 7447,2975 7432,2975 7424.5,2960
  text "DRILL CHART: TOP to BOTTOM" at 9053.5,4647.5 h125
  text "ALL UNITS ARE IN MILS" at 9303.5,4397.5 h125
  text "FIGURE" at 7139.5,4147.5 h125
  text "SIZE" at 8634.5,4147.5 h125
  text "TOLERANCE" at 10275.5,4147.5 h125
  text "PLATED" at 12006.5,4147.5 h125
  text "QTY" at 13179.5,4147.5 h125
  text "10.0" at 8634.5,3897.5 h125
  text "+3.0/-3.0" at 10275.5,3897.5 h125
  text "PLATED" at 12006.5,3897.5 h125
  text "772" at 13179.5,3897.5 h125
  text "12.0" at 8634.5,3647.5 h125
  text "+3.0/-3.0" at 10275.5,3647.5 h125
  text "PLATED" at 12006.5,3647.5 h125
  text "164" at 13179.5,3647.5 h125
  text "20.0" at 8634.5,3397.5 h125
  text "+3.0/-3.0" at 10275.5,3397.5 h125
  text "PLATED" at 12006.5,3397.5 h125
  text "64" at 13229.5,3397.5 h125
  text "32.0" at 8634.5,3147.5 h125
  text "+3.0/-3.0" at 10275.5,3147.5 h125
  text "PLATED" at 12006.5,3147.5 h125
  text "6" at 13279.5,3147.5 h125
  text "35.0" at 8634.5,2897.5 h125
  text "+3.0/-3.0" at 10275.5,2897.5 h125
  text "PLATED" at 12006.5,2897.5 h125
  text "36" at 13229.5,2897.5 h125
  text "35.43" at 8584.5,2647.5 h125
  text "+3.0/-3.0" at 10275.5,2647.5 h125
  text "PLATED" at 12006.5,2647.5 h125
  text "2" at 13279.5,2647.5 h125
  text "40.0" at 8634.5,2397.5 h125
  text "+3.0/-3.0" at 10275.5,2397.5 h125
  text "PLATED" at 12006.5,2397.5 h125
  text "80" at 13229.5,2397.5 h125
  text "40.0" at 8634.5,2147.5 h125
  text "+3.0/-3.0" at 10275.5,2147.5 h125
  text "PLATED" at 12006.5,2147.5 h125
  text "10" at 13229.5,2147.5 h125
  text "41.0" at 8634.5,1897.5 h125
  text "+2.0/-2.0" at 10275.5,1897.5 h125
  text "PLATED" at 12006.5,1897.5 h125
  text "12" at 13229.5,1897.5 h125
  text "65.0" at 8634.5,1647.5 h125
  text "+3.0/-3.0" at 10275.5,1647.5 h125
  text "PLATED" at 12006.5,1647.5 h125
  text "4" at 13279.5,1647.5 h125
  text "92.0" at 8634.5,1397.5 h125
  text "+3.0/-3.0" at 10275.5,1397.5 h125
  text "PLATED" at 12006.5,1397.5 h125
  text "8" at 13279.5,1397.5 h125
  text "126.0" at 8584.5,1147.5 h125
  text "+3.0/-3.0" at 10275.5,1147.5 h125
  text "PLATED" at 12006.5,1147.5 h125
  text "8" at 13279.5,1147.5 h125
  text "24.0" at 8634.5,897.5 h125
  text "+2.0/-2.0" at 10275.5,897.5 h125
  text "NON-PLATED" at 11806.5,897.5 h125
  text "2" at 13279.5,897.5 h125
  text "27.56" at 8584.5,647.5 h125
  text "+2.0/-0.0" at 10275.5,647.5 h125
  text "NON-PLATED" at 11806.5,647.5 h125
  text "6" at 13279.5,647.5 h125
  text "31.496" at 8534.5,397.5 h125
  text "+2.0/-2.0" at 10275.5,397.5 h125
  text "NON-PLATED" at 11806.5,397.5 h125
  text "6" at 13279.5,397.5 h125
  text "35.429" at 8534.5,147.5 h125
  text "+2.0/-2.0" at 10275.5,147.5 h125
  text "NON-PLATED" at 11806.5,147.5 h125
  text "2" at 13279.5,147.5 h125
  text "38.0" at 8634.5,-102.5 h125
  text "+2.0/-2.0" at 10275.5,-102.5 h125
  text "NON-PLATED" at 11806.5,-102.5 h125
  text "18" at 13229.5,-102.5 h125
  text "45.0" at 8634.5,-352.5 h125
  text "+2.0/-2.0" at 10275.5,-352.5 h125
  text "NON-PLATED" at 11806.5,-352.5 h125
  text "1" at 13279.5,-352.5 h125
  text "60.0" at 8634.5,-602.5 h125
  text "+2.0/-2.0" at 10275.5,-602.5 h125
  text "NON-PLATED" at 11806.5,-602.5 h125
  text "4" at 13279.5,-602.5 h125
  text "65.0" at 8634.5,-852.5 h125
  text "+2.0/-2.0" at 10275.5,-852.5 h125
  text "NON-PLATED" at 11806.5,-852.5 h125
  text "1" at 13279.5,-852.5 h125
  text "125.0" at 8584.5,-1102.5 h125
  text "+2.0/-2.0" at 10275.5,-1102.5 h125
  text "NON-PLATED" at 11806.5,-1102.5 h125
  text "4" at 13279.5,-1102.5 h125
  text "173.0" at 8584.5,-1352.5 h125
  text "+2.0/-2.0" at 10275.5,-1352.5 h125
  text "NON-PLATED" at 11806.5,-1352.5 h125
  text "1" at 13279.5,-1352.5 h125
  text "50.0x20.0" at 8384.5,-1602.5 h125
  text "+3.0/-3.0" at 10275.5,-1602.5 h125
  text "PLATED" at 12006.5,-1602.5 h125
  text "4" at 13279.5,-1602.5 h125
  text "106.299x35.429" at 8134.5,-1852.5 h125
  text "+5.0/-5.0" at 10275.5,-1852.5 h125
  text "PLATED" at 12006.5,-1852.5 h125
  text "4" at 13279.5,-1852.5 h125
  text "118.11x39.37" at 8234.5,-2102.5 h125
  text "+2.988/-2.988" at 10075.5,-2102.5 h125
  text "PLATED" at 12006.5,-2102.5 h125
  text "2" at 13279.5,-2102.5 h125
  text "118.11x39.37" at 8234.5,-2352.5 h125
  text "+2.988/-2.988" at 10075.5,-2352.5 h125
  text "PLATED" at 12006.5,-2352.5 h125
  text "1" at 13279.5,-2352.5 h125
DRAWING_ORIGIN:
  lines w1: -25,0 25,0 ; 0,-25 0,25
PIN_NUMBER:
  text "1" at 40,3609.95 h25
  text "1" at 15,3575 h25
  text "1" at 5355,3124.95 h25
  text "1" at 5735,539.95 h25
  text "1" at 5825,474.95 h25
  text "1" at 1605,370 h25
ASSEMBLY_TOP:
  text "*" at 0.37,3619.78 h31
  text "*" at 5340.37,3169.73 h31
  text "#REFDES" at 5720.37,584.73 h31
ASSEMBLY_BOTTOM:
  text "*" at 74.63,3654.73 h31
  text "*" at 5859.63,519.73 h31
  text "*" at 1639.63,414.78 h31

## Text inside footprints (layer, text, board x,y; h text height)
B1: PIN_NUMBER "2" at 3373.86,568.89 h25 r90; PIN_NUMBER "1" at 3373.86,508.89 h25 r90; PLACE_BOUND_TOP "H=0.8MM" at 3394.2,424.39 h31 r90
B2: PIN_NUMBER "2" at 2566.77,950 h25 r180; PIN_NUMBER "1" at 2626.77,950 h25 r180; PLACE_BOUND_TOP "H=0.8MM" at 2721.27,960.34 h31 r180
B3: PIN_NUMBER "2" at 2155,2380 h25 r90; PIN_NUMBER "1" at 2155,2440 h25 r90; PLACE_BOUND_BOTTOM "H=0.8MM" at 2175.34,2524.5 h31 r90
B4: PIN_NUMBER "1" at 5610,3184.85 h25 r270; PIN_NUMBER "2" at 5610,3244.85 h25 r270; PLACE_BOUND_BOTTOM "H=0.8MM" at 5609.66,3100.35 h31 r270
B5: PIN_NUMBER "1" at 5675,3184.85 h25 r270; PIN_NUMBER "2" at 5675,3244.85 h25 r270; PLACE_BOUND_BOTTOM "H=0.8MM" at 5674.66,3100.35 h31 r270
B6: PIN_NUMBER "1" at 4980,3184.85 h25 r270; PIN_NUMBER "2" at 4980,3244.85 h25 r270; PLACE_BOUND_BOTTOM "H=0.8MM" at 4979.66,3100.35 h31 r270
B7: PIN_NUMBER "1" at 5040,3184.85 h25 r270; PIN_NUMBER "2" at 5040,3244.85 h25 r270; PLACE_BOUND_BOTTOM "H=0.8MM" at 5039.66,3100.35 h31 r270
B8: PIN_NUMBER "1" at 899.58,1690 h25; PIN_NUMBER "2" at 839.58,1690 h25; PLACE_BOUND_BOTTOM "H=0.8MM" at 994.08,1679.66 h31
B9: PIN_NUMBER "1" at 744.58,1800 h25 r180; PIN_NUMBER "2" at 804.58,1800 h25 r180; PLACE_BOUND_BOTTOM "H=0.8MM" at 670.08,1810.34 h31 r180
B12: PIN_NUMBER "2" at 2590.19,600.18 h25 r90; PIN_NUMBER "1" at 2590.19,560.18 h25 r90
B13: PIN_NUMBER "2" at 1709.41,1386.27 h25 r180; PIN_NUMBER "1" at 1669.41,1386.27 h25 r180
B14: PIN_NUMBER "1" at 922.67,1207.92 h25 r270; PIN_NUMBER "2" at 922.67,1267.92 h25 r270; PLACE_BOUND_BOTTOM "H=0.8MM" at 922.34,1123.42 h31 r270
B15: PIN_NUMBER "1" at 922.67,1132.92 h25 r90; PIN_NUMBER "2" at 922.67,1072.92 h25 r90; PLACE_BOUND_BOTTOM "H=0.8MM" at 943.01,1217.42 h31 r90
B16: PIN_NUMBER "1" at 922.67,646.89 h25 r270; PIN_NUMBER "2" at 922.67,706.89 h25 r270; PLACE_BOUND_BOTTOM "H=0.8MM" at 922.34,562.39 h31 r270
B17: PIN_NUMBER "1" at 922.67,571.89 h25 r90; PIN_NUMBER "2" at 922.67,511.89 h25 r90; PLACE_BOUND_BOTTOM "H=0.8MM" at 943.01,656.39 h31 r90
B18: PIN_NUMBER "2" at 3433.86,568.89 h25 r90; PIN_NUMBER "1" at 3433.86,508.89 h25 r90; PLACE_BOUND_TOP "H=0.8MM" at 3454.2,424.39 h31 r90
C1: PIN_NUMBER "2" at 4935,2333.15 h25 r270; PIN_NUMBER "1" at 5015,2333.15 h25 r270
C2: PIN_NUMBER "2" at 4935,2253.15 h25 r270; PIN_NUMBER "1" at 5015,2253.15 h25 r270
C3: PIN_NUMBER "1" at 3685,3625 h25 r180; PIN_NUMBER "2" at 3685,3665 h25 r180
C4: PIN_NUMBER "2" at 3715.53,3626.83 h25 r270; PIN_NUMBER "1" at 3775.53,3626.83 h25 r270
C5: PIN_NUMBER "2" at 3715.53,3681.83 h25 r270; PIN_NUMBER "1" at 3755.53,3681.83 h25 r270
C6: PIN_NUMBER "2" at 3833.21,3499.38 h25 r90; PIN_NUMBER "1" at 3793.21,3499.38 h25 r90
C7: PIN_NUMBER "1" at 675,3275 h25 r180; PIN_NUMBER "2" at 675,3335 h25 r180
C8: PIN_NUMBER "1" at 625,3295 h25 r180; PIN_NUMBER "2" at 625,3335 h25 r180
C9: PIN_NUMBER "2" at 850.17,3340 h25 r180; PIN_NUMBER "1" at 850.17,3300 h25 r180
C10: PIN_NUMBER "2" at 1025,3140.48 h25 r90; PIN_NUMBER "1" at 985,3140.48 h25 r90
C11: PIN_NUMBER "2" at 4765.98,3148.59 h25; PIN_NUMBER "1" at 4765.98,3208.59 h25
C12: PIN_NUMBER "2" at 4821.65,3158.59 h25; PIN_NUMBER "1" at 4821.65,3198.59 h25
C13: PIN_NUMBER "2" at 4950.98,3118.59 h25 r270; PIN_NUMBER "1" at 4990.98,3118.59 h25 r270
C14: PIN_NUMBER "1" at 4655.39,2977.24 h25 r270; PIN_NUMBER "2" at 4615.39,2977.24 h25 r270
C15: PIN_NUMBER "1" at 4930.08,2872.24 h25 r90; PIN_NUMBER "2" at 4970.08,2872.24 h25 r90
C16: PIN_NUMBER "1" at 4850.39,3263.59 h25 r90; PIN_NUMBER "2" at 4890.39,3263.59 h25 r90
C17: PIN_NUMBER "1" at 4995.08,2809.64 h25; PIN_NUMBER "2" at 4995.08,2769.64 h25
C18: PIN_NUMBER "1" at 4785,2735 h25 r270; PIN_NUMBER "2" at 4745,2735 h25 r270
C19: PIN_NUMBER "1" at 5550,3244.85 h25; PIN_NUMBER "2" at 5550,3184.85 h25
C20: PIN_NUMBER "1" at 5220.98,2848.59 h25 r270; PIN_NUMBER "2" at 5160.98,2848.59 h25 r270
C21: PIN_NUMBER "1" at 5735.52,3244.85 h25; PIN_NUMBER "2" at 5735.52,3184.85 h25
C22: PIN_NUMBER "1" at 5210.98,2903.59 h25 r270; PIN_NUMBER "2" at 5170.98,2903.59 h25 r270
C23: PIN_NUMBER "1" at 5475.98,3184.85 h25 r180; PIN_NUMBER "2" at 5475.98,3244.85 h25 r180
C24: PIN_NUMBER "1" at 5227.83,3158.59 h25 r180; PIN_NUMBER "2" at 5227.83,3238.59 h25 r180
C25: PIN_NUMBER "1" at 5407.83,3158.59 h25 r180; PIN_NUMBER "2" at 5407.83,3238.59 h25 r180
C26: PIN_NUMBER "1" at 5317.83,3158.59 h25 r180; PIN_NUMBER "2" at 5317.83,3238.59 h25 r180
C27: PIN_NUMBER "1" at 4895,3245 h25; PIN_NUMBER "2" at 4895,3185 h25
C28: PIN_NUMBER "1" at 5097.46,3244.85 h25; PIN_NUMBER "2" at 5097.46,3184.85 h25
C29: PIN_NUMBER "1" at 4449.81,3103.59 h25; PIN_NUMBER "2" at 4449.81,3063.59 h25
C30: PIN_NUMBER "1" at 4278.11,3631 h25 r270; PIN_NUMBER "2" at 4278.11,3751 h25 r270
C35: PIN_NUMBER "1" at 1515,3493 h25 r90; PIN_NUMBER "2" at 1555,3493 h25 r90
C36: PIN_NUMBER "1" at 1515,3303 h25 r90; PIN_NUMBER "2" at 1555,3303 h25 r90
C37: PIN_NUMBER "1" at 1515,3113 h25 r90; PIN_NUMBER "2" at 1555,3113 h25 r90
C38: PIN_NUMBER "1" at 1034.58,1749.04 h25 r270; PIN_NUMBER "2" at 974.58,1749.04 h25 r270
C39: PIN_NUMBER "1" at 954.58,2069.03 h25; PIN_NUMBER "2" at 954.58,2029.04 h25
C40: PIN_NUMBER "1" at 899.58,1749.04 h25 r270; PIN_NUMBER "2" at 839.58,1749.04 h25 r270
C41: PIN_NUMBER "1" at 744.58,1949.04 h25 r90; PIN_NUMBER "2" at 784.58,1949.04 h25 r90
C42: PIN_NUMBER "2" at 849.58,2029.04 h25; PIN_NUMBER "1" at 849.58,2069.03 h25
C43: PIN_NUMBER "2" at 1054.58,1924.04 h25 r270; PIN_NUMBER "1" at 1094.58,1924.04 h25 r270
C44: PIN_NUMBER "2" at 784.58,2009.04 h25; PIN_NUMBER "1" at 784.58,2069.03 h25
C45: PIN_NUMBER "1" at 744.58,1899.04 h25 r90; PIN_NUMBER "2" at 804.58,1899.04 h25 r90
C46: PIN_NUMBER "1" at 744.58,1849.04 h25 r90; PIN_NUMBER "2" at 784.58,1849.04 h25 r90
C47: PIN_NUMBER "1" at 586.74,2134.03 h25 r90; PIN_NUMBER "2" at 626.74,2134.03 h25 r90
C52: PIN_NUMBER "1" at 982.91,1505 h25 r180; PIN_NUMBER "2" at 982.91,1545 h25 r180
C53: PIN_NUMBER "1" at 787.91,1545 h25; PIN_NUMBER "2" at 787.91,1505 h25
C54: PIN_NUMBER "2" at 580,3050 h25 r180; PIN_NUMBER "1" at 580,2990 h25 r180
C55: PIN_NUMBER "2" at 685,3030 h25 r180; PIN_NUMBER "1" at 685,2990 h25 r180
C56: PIN_NUMBER "2" at 635,3030 h25 r180; PIN_NUMBER "1" at 635,2990 h25 r180
C57: PIN_NUMBER "2" at 370,2475 h25; PIN_NUMBER "1" at 370,2535 h25
C58: PIN_NUMBER "2" at 485,2509.6 h25 r90; PIN_NUMBER "1" at 445,2509.6 h25 r90
C59: PIN_NUMBER "2" at 485,2555 h25 r90; PIN_NUMBER "1" at 445,2555 h25 r90
C60: PIN_NUMBER "2" at 2025,135 h25; PIN_NUMBER "1" at 2025,175 h25
C61: PIN_NUMBER "2" at 2070,135 h25; PIN_NUMBER "1" at 2070,175 h25
C62: PIN_NUMBER "2" at 2158.45,135 h25; PIN_NUMBER "1" at 2158.45,175 h25
C63: PIN_NUMBER "2" at 2203.45,135 h25; PIN_NUMBER "1" at 2203.45,175 h25
C66: PIN_NUMBER "2" at 1720,1431.46 h25 r90; PIN_NUMBER "1" at 1680,1431.46 h25 r90
C67: PIN_NUMBER "1" at 1722,1478.38 h25 r270; PIN_NUMBER "2" at 1682,1478.38 h25 r270
C68: PIN_NUMBER "1" at 2025,610 h25; PIN_NUMBER "2" at 2025,570 h25
C69: PIN_NUMBER "1" at 2070,610 h25; PIN_NUMBER "2" at 2070,570 h25
C70: PIN_NUMBER "1" at 1722,1518.38 h25 r270; PIN_NUMBER "2" at 1682,1518.38 h25 r270
C72: PIN_NUMBER "2" at 2154.37,1907.18 h25 r270; PIN_NUMBER "1" at 2194.37,1907.18 h25 r270
C73: PIN_NUMBER "2" at 2154.37,1862.19 h25 r270; PIN_NUMBER "1" at 2194.37,1862.19 h25 r270
C74: PIN_NUMBER "1" at 986.47,1207.92 h25 r180; PIN_NUMBER "2" at 986.47,1267.92 h25 r180
C75: PIN_NUMBER "1" at 1041.46,1192.92 h25 r180; PIN_NUMBER "2" at 1041.46,1232.92 h25 r180
C76: PIN_NUMBER "1" at 986.47,1132.92 h25; PIN_NUMBER "2" at 986.47,1072.92 h25
C77: PIN_NUMBER "2" at 986.47,937.92 h25; PIN_NUMBER "1" at 986.47,997.92 h25
C78: PIN_NUMBER "2" at 925,957.92 h25; PIN_NUMBER "1" at 925,997.92 h25
C79: PIN_NUMBER "1" at 1041.46,1142.92 h25; PIN_NUMBER "2" at 1041.46,1102.92 h25
C80: PIN_NUMBER "2" at 986.47,706.89 h25 r180; PIN_NUMBER "1" at 986.47,646.89 h25 r180
C81: PIN_NUMBER "2" at 1041.46,671.89 h25 r180; PIN_NUMBER "1" at 1041.46,631.89 h25 r180
C82: PIN_NUMBER "2" at 986.47,376.89 h25; PIN_NUMBER "1" at 986.47,436.89 h25
C83: PIN_NUMBER "2" at 986.47,511.89 h25; PIN_NUMBER "1" at 986.47,571.89 h25
C84: PIN_NUMBER "2" at 930,395 h25; PIN_NUMBER "1" at 930,435 h25
C85: PIN_NUMBER "2" at 1041.46,541.89 h25; PIN_NUMBER "1" at 1041.46,581.89 h25
C86: PIN_NUMBER "2" at 1714.25,3295 h25 r270; PIN_NUMBER "1" at 1754.25,3295 h25 r270
C87: PIN_NUMBER "2" at 2091.85,3298.61 h25; PIN_NUMBER "1" at 2091.85,3378.61 h25
C88: PIN_NUMBER "2" at 2025,3318.61 h25; PIN_NUMBER "1" at 2025,3358.61 h25
C89: PIN_NUMBER "2" at 5615,2690 h25; PIN_NUMBER "1" at 5615,2770 h25
C90: PIN_NUMBER "2" at 5701.85,2690 h25; PIN_NUMBER "1" at 5701.85,2770 h25
C91: PIN_NUMBER "1" at 1754.25,3205 h25 r270; PIN_NUMBER "2" at 1714.25,3205 h25 r270
C92: PIN_NUMBER "2" at 1536.26,2050 h25; PIN_NUMBER "1" at 1536.26,2090 h25
C93: PIN_NUMBER "2" at 465,3265 h25 r90; PIN_NUMBER "1" at 425,3265 h25 r90
C94: PIN_NUMBER "2" at 540.31,3085 h25 r270; PIN_NUMBER "1" at 580.31,3085 h25 r270
C95: PIN_NUMBER "1" at 1186.26,2045 h25 r90; PIN_NUMBER "2" at 1226.26,2045 h25 r90
C96: PIN_NUMBER "1" at 250,2956.85 h25 r90; PIN_NUMBER "2" at 330,2956.85 h25 r90
C97: PIN_NUMBER "1" at 275,3020 h25 r90; PIN_NUMBER "2" at 315,3020 h25 r90
C98: PIN_NUMBER "2" at 1188.11,2165 h25; PIN_NUMBER "1" at 1188.11,2245 h25
C99: PIN_NUMBER "2" at 1255,2190 h25; PIN_NUMBER "1" at 1255,2230 h25
C100: PIN_NUMBER "2" at 4330,2530 h25 r180; PIN_NUMBER "1" at 4330,2490 h25 r180
C101: PIN_NUMBER "1" at 4585,2492.8 h25 r180; PIN_NUMBER "2" at 4585,2532.8 h25 r180